# KiCad board vancouver-skytrain-pcb.kicad_pcb (continued)
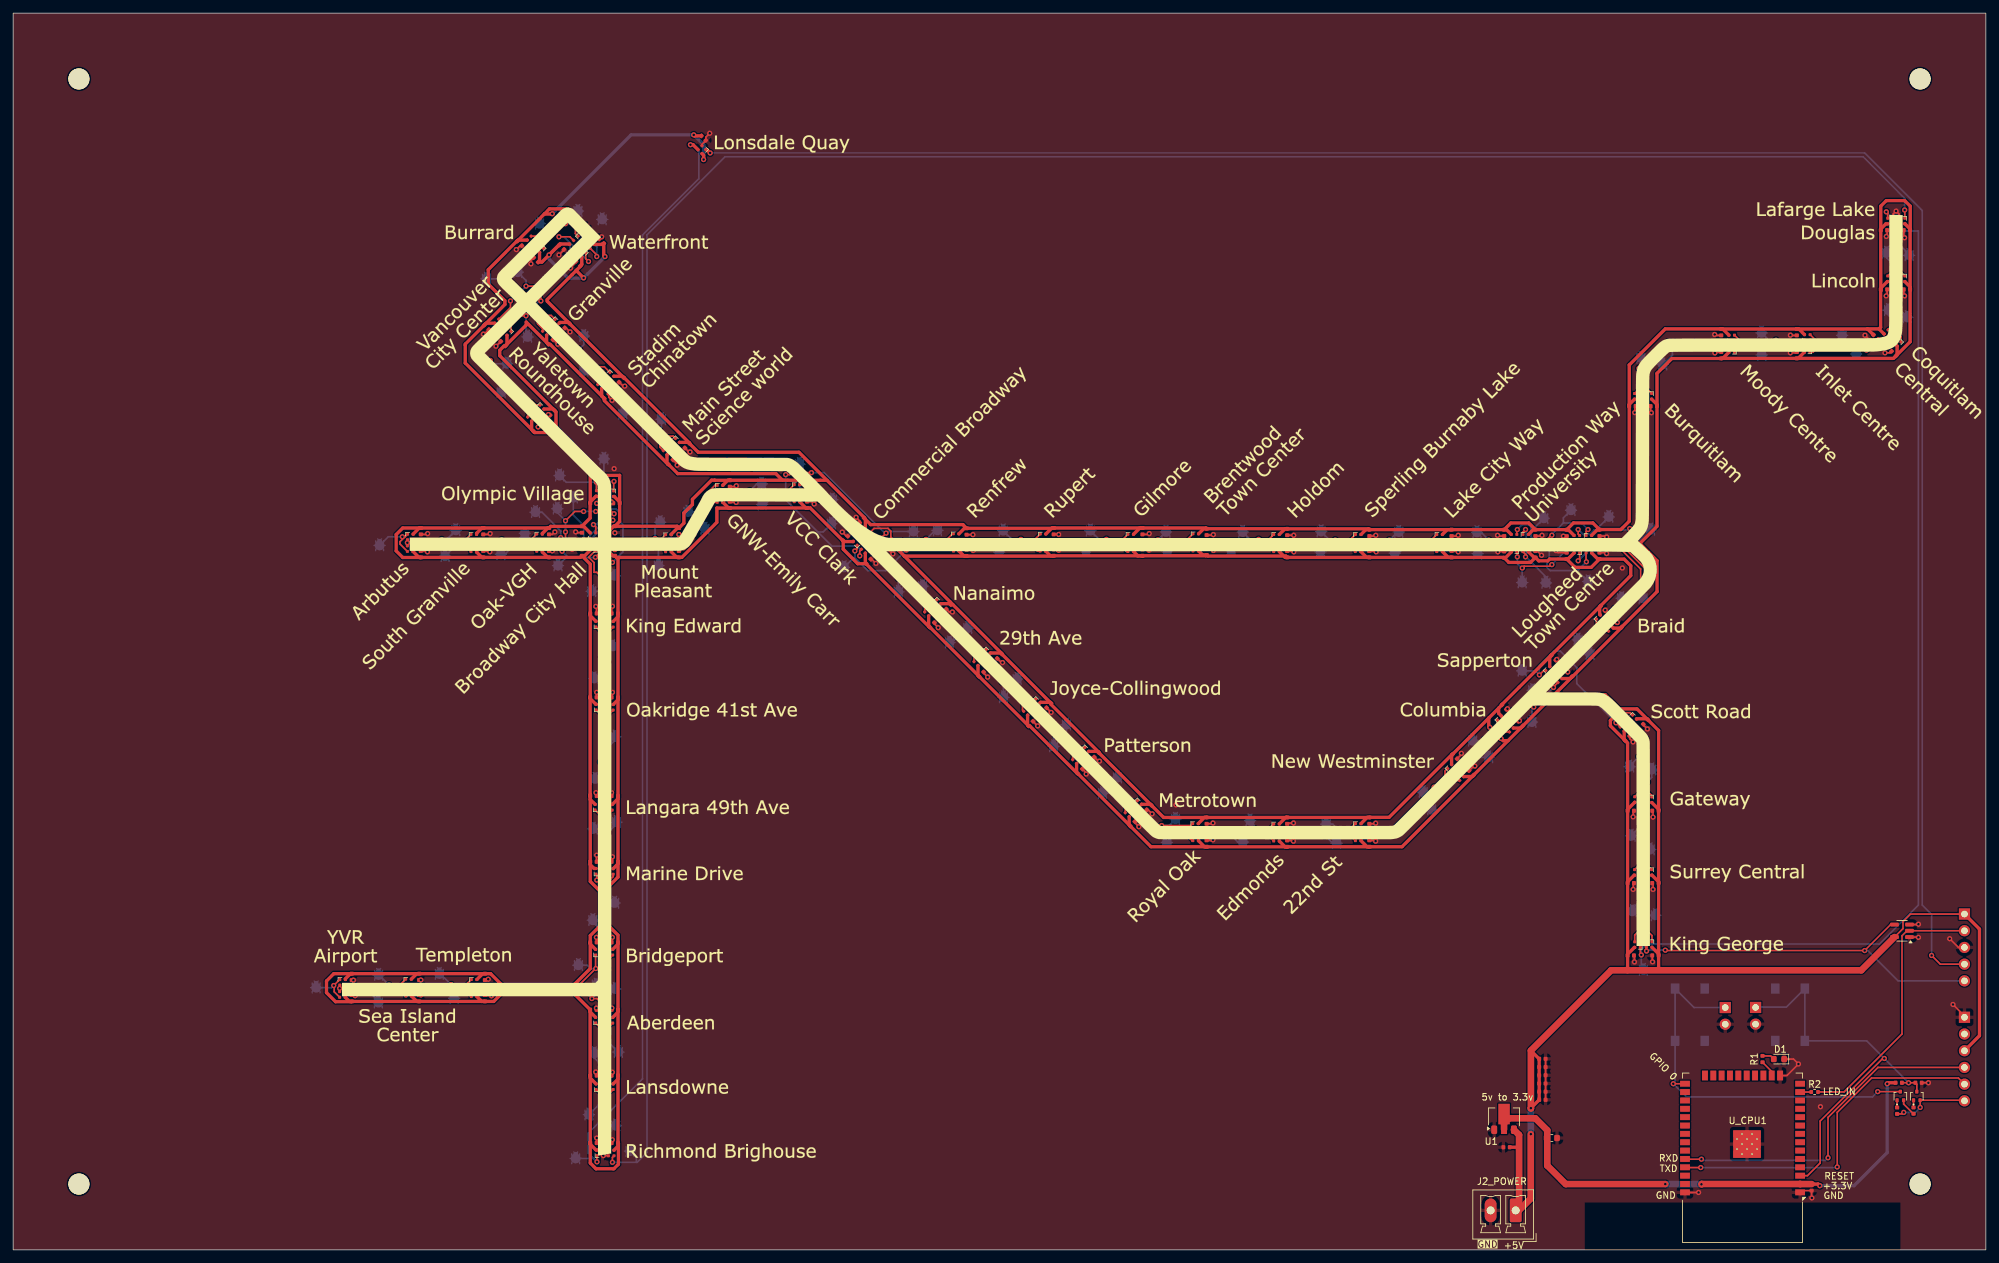
[diagram p0: board, top side]
## Placement (name value [footprint] x y rotation side) (continued)
TP55  TestPoint  [SWS-Testpoint-Bug-1mm]  232.78 111.21 180 bottom
TP56  TestPoint  [SWS-Testpoint-Bug-1mm]  222.62 109.06 180 bottom
TP57  TestPoint  [SWS-Testpoint-Bug-1mm]  210.72 109.11 180 bottom
TP58  TestPoint  [SWS-Testpoint-Bug-1mm]  198.91 109.2 180 bottom
TP59  TestPoint  [SWS-Testpoint-Bug-1mm]  186.99 109.12 180 bottom
TP60  TestPoint  [SWS-Testpoint-Bug-1mm]  175.32 109.13 180 bottom
TP61  TestPoint  [SWS-Testpoint-Bug-1mm]  163.82 109.33 180 bottom
TP62  TestPoint  [SWS-Testpoint-Bug-1mm]  150.56 109.33 180 bottom
TP63  TestPoint  [SWS-Testpoint-Bug-1mm]  140.57 109.37 180 bottom
TP64  TestPoint  [SWS-Testpoint-Bug-1mm]  124.58 114.03 180 bottom
TP65  TestPoint  [SWS-Testpoint-Bug-1mm]  113.84 116.44 180 bottom
TP66  TestPoint  [SWS-Testpoint-Bug-1mm]  102.62 112.18 180 bottom
TP67  TestPoint  [SWS-Testpoint-Bug-1mm]  98.4 110.6 180 bottom
TP68  TestPoint  [SWS-Testpoint-Bug-1mm]  79.44 112.13 180 bottom
TP69  TestPoint  [SWS-Testpoint-Bug-1mm]  77.81 108.93 180 bottom
TP70  TestPoint  [SWS-Testpoint-Bug-1mm]  67.31 109.38 180 bottom
TP71  TestPoint  [SWS-Testpoint-Bug-1mm]  55.73 107.08 180 bottom
TP72  TestPoint  [SWS-Testpoint-Bug-1mm]  65.69 105.45 180 bottom
TP73  TestPoint  [SWS-Testpoint-Bug-1mm]  74.18 105.74 180 bottom
TP74  TestPoint  [SWS-Testpoint-Bug-1mm]  82.86 104.01 180 bottom
TP75  TestPoint  [SWS-Testpoint-Bug-1mm]  98.13 104.01 180 bottom
TP76  TestPoint  [SWS-Testpoint-Bug-1mm]  105.2 109.61 180 bottom
TP77  TestPoint  [SWS-Testpoint-Bug-1mm]  113.9 113.3 180 bottom
TP78  TestPoint  [SWS-Testpoint-Bug-1mm]  119.56 119.45 180 bottom
TP79  TestPoint  [SWS-Testpoint-Bug-1mm]  126.37 103.74 180 bottom
TP80  TestPoint  [SWS-Testpoint-Bug-1mm]  149.96 106.07 180 bottom
TP81  TestPoint  [SWS-Testpoint-Bug-1mm]  163.17 106.29 180 bottom
TP82  TestPoint  [SWS-Testpoint-Bug-1mm]  175.51 106.22 180 bottom
TP83  TestPoint  [SWS-Testpoint-Bug-1mm]  185.25 106.35 180 bottom
TP84  TestPoint  [SWS-Testpoint-Bug-1mm]  198.81 106.12 180 bottom
TP85  TestPoint  [SWS-Testpoint-Bug-1mm]  210.11 105.91 180 bottom
TP86  TestPoint  [SWS-Testpoint-Bug-1mm]  222.72 105.82 180 bottom
TP87  TestPoint  [SWS-Testpoint-Bug-1mm]  229.49 101.44 180 bottom
TP88  TestPoint  [SWS-Testpoint-Bug-1mm]  249.01 109.46 180 bottom
TP89  TestPoint  [SWS-Testpoint-Bug-1mm]  250.87 134.57 180 bottom
TP90  TestPoint  [SWS-Testpoint-Bug-1mm]  265.92 136.03 180 bottom
TP91  TestPoint  [SWS-Testpoint-Bug-1mm]  280.29 136.18 180 bottom
TP92  TestPoint  [SWS-Testpoint-Bug-1mm]  288.06 141.76 180 bottom
TP93  TestPoint  [SWS-Testpoint-Bug-1mm]  288.33 151.18 180 bottom
TP94  TestPoint  [SWS-Testpoint-Bug-1mm]  93.81 15 180 bottom
TP95  TestPoint  [SWS-Testpoint-Bug-1mm]  91.63 18.88 180 bottom
TP96  TestPoint  [SWS-Testpoint-Bug-1mm]  92.04 30.06 180 bottom
TP97  TestPoint  [SWS-Testpoint-Bug-1mm]  91.56 39.65 180 bottom
TP98  TestPoint  [SWS-Testpoint-Bug-1mm]  91.47 52.73 180 bottom
TP99  TestPoint  [SWS-Testpoint-Bug-1mm]  91.74 65.01 180 bottom
TP100  TestPoint  [SWS-Testpoint-Bug-1mm]  91.57 78.01 180 bottom
TP101  TestPoint  [SWS-Testpoint-Bug-1mm]  91.18 91.74 180 bottom
TP102  TestPoint  [SWS-Testpoint-Bug-1mm]  91.47 102.47 180 bottom
TP103  TestPoint  [SWS-Testpoint-Bug-1mm]  85.19 114.34 180 bottom
TP104  TestPoint  [SWS-Testpoint-Bug-1mm]  89.84 120.24 180 bottom
TP105  TestPoint  [SWS-Testpoint-Bug-1mm]  75.09 134.7 180 bottom
TP106  TestPoint  [SWS-Testpoint-Bug-1mm]  78.23 138.78 180 bottom
TP107  TestPoint  [SWS-Testpoint-Bug-1mm]  84.76 150.91 180 bottom
TP108  TestPoint  [SWS-Testpoint-Bug-1mm]  76.74 148.62 180 bottom
TP109  TestPoint  [SWS-Testpoint-Bug-1mm]  74.22 130.35 180 bottom
TP110  TestPoint  [SWS-Testpoint-Bug-1mm]  83.1 117.7 180 bottom
TP111  TestPoint  [SWS-Testpoint-Bug-1mm]  82.75 112.66 180 bottom
TP112  TestPoint  [SWS-Testpoint-Bug-1mm]  87.99 100.11 180 bottom
TP113  TestPoint  [SWS-Testpoint-Bug-1mm]  88.35 86.86 180 bottom
TP114  TestPoint  [SWS-Testpoint-Bug-1mm]  88.51 71.58 180 bottom
TP115  TestPoint  [SWS-Testpoint-Bug-1mm]  88.23 63.99 180 bottom
TP116  TestPoint  [SWS-Testpoint-Bug-1mm]  88.16 50.11 180 bottom
TP117  TestPoint  [SWS-Testpoint-Bug-1mm]  85.96 43.27 180 bottom
TP118  TestPoint  [SWS-Testpoint-Bug-1mm]  64.81 41.93 180 bottom
TP119  TestPoint  [SWS-Testpoint-Bug-1mm]  55.58 41.78 180 bottom
TP120  TestPoint  [SWS-Testpoint-Bug-1mm]  46.08 39.86 180 bottom
TP121  TestPoint  [SWS-Testpoint-Bug-1mm]  55.54 37.59 180 bottom
TP122  TestPoint  [SWS-Testpoint-Bug-1mm]  67.06 38.26 180 bottom
TP123  TestPoint  [SWS-Testpoint-Bug-1mm]  88.68 40.29 180 bottom
TP124  TestPoint  [SWS-Testpoint-Bug-1mm]  88.38 29.85 180 bottom
TP125  TestPoint  [SWS-Testpoint-Bug-1mm]  87.56 20.55 180 bottom
TP126  TestPoint  [SWS-Testpoint-Bug-1mm]  85.55 13.89 180 bottom
U1  UR133AG-33-AB3-C-R__3.3v  [SOT-89-3]  226.73 20.21 90 top
U1#2  74AHC1G125  [SOT-23-5]  287.25 48.5 180 top
U_CPU1  ESP32-WROOM-32E  [ESP32-WROOM-32]  263 16.99 180 top

## Library data of the parts
C1 C2 C4-C131 = -: Datasheet: https://datasheet.lcsc.com/lcsc/1811091611_Samsung-Electro-Mechanics-CL05A105KA5NQNC_C52923.pdf; LCSC: C52923; MFG: Samsung Electro-Mechanics; MFGPN: CL05A105KA5NQNC
C3 = -: Datasheet: https://datasheet.lcsc.com/lcsc/1810191219_Samsung-Electro-Mechanics-CL10A106KP8NNNC_C19702.pdf; LCSC: C19702; MFG: Samsung Electro-Mechanics; MFGPN: CL10A106KP8NNNC
C132-C136 C138 = -: Description: 25V 1uF X5R   10% 0402 Multilayer Ceramic Capacitors MLCC - SMD SMT ROHS; LCSC: C52923; MFG: Samsung Electro-Mechanics; MFGPN: CL05A105KA5NQNC
D1 = -: LCSC: C2286; ki_fp_filters: LED* LED_SMD:* LED_THT:*
H1-H4 = -: LCSC: DNP; ki_fp_filters: MountingHole*
J1-LED = -: Description: Generic connector, single row, 01x05, script generated (kicad-library-utils/schlib/autogen/connector/); LCSC: DNP; ki_fp_filters: Connector*:*_1x??_*
J2 J3 = -: Description: Generic connector, single row, 01x02, script generated (kicad-library-utils/schlib/autogen/connector/); LCSC: DNP; ki_fp_filters: Connector*:*_1x??_*
J2_POWER J3_PROGRAMING_PIN1 = -: LCSC: DNP; ki_fp_filters: Connector*:*_1x??_*
LED1-LED127 = -: Datasheet: https://datasheet.lcsc.com/lcsc/2301111010_XINGLIGHT-XL-1010RGBC-WS2812B_C5349953.pdf; LCSC: C5349953; ki_fp_filters: LED*WS2812*PLCC*5.0x5.0mm*P3.2mm*
Q1 Q2 = -: Datasheet: https://www.onsemi.com/pub/Collateral/2N3903-D.PDF; LCSC: C242260; ki_fp_filters: SOT?23*
R1 = -: Datasheet: https://datasheet.lcsc.com/lcsc/2110251730_UNI-ROYAL-Uniroyal-Elec-0402WGF1001TCE_C11702.pdf; LCSC: C11702; MFG: UNI-ROYAL(Uniroyal Elec); MFGPN: 0402WGF1001TCE
R2 = -: Datasheet: https://datasheet.lcsc.com/lcsc/2110251730_UNI-ROYAL-Uniroyal-Elec-0402WGF0000TCE_C17168.pdf; LCSC: C17168; MFG: UNI-ROYAL(Uniroyal Elec); MFGPN: 0402WGF0000TCE
R3-R5 = -: Datasheet: https://datasheet.lcsc.com/lcsc/2110260030_UNI-ROYAL-Uniroyal-Elec-0402WGF1002TCE_C25744.pdf; LCSC: C25744; MFG: UNI-ROYAL(Uniroyal Elec); MFGPN: 0402WGF1002TCE
SW_BOOTLOAD1 SW_RESET1 = -: LCSC: DNP
TP1-TP126 = -: Description: test point; LCSC: DNP; ki_fp_filters: Pin* Test*
U1 = -: Datasheet: https://datasheet.lcsc.com/lcsc/2304140030_UTC-Unisonic-Tech-UR133AG-33-AB3-C-R_C73288.pdf; LCSC: C73288; ki_fp_filters: SOT?223* TO?263*
U1#2 = -: Datasheet: http://www.ti.com/lit/sg/scyt129e/scyt129e.pdf; LCSC: C23654; ki_fp_filters: SOT* SG-*
U_CPU1 = -: Datasheet: https://www.espressif.com/sites/default/files/documentation/esp32-wroom-32_datasheet_en.pdf; LCSC: C701342; ki_fp_filters: ESP32?WROOM?32*

## Footprints (pads in the part's own frame, mm; a bottom-side part is the same pattern mirrored in y, then rotated)
C_0402_1005Metric
  rrect 0.59x0.64 smd: 1(-0.485,0) 2(0.485,0)
C_0603_1608Metric
  rrect 0.875x0.95 smd: 1(-0.787,0) 2(0.787,0)
ESP32-WROOM-32
  rect 1.5x0.9 smd: 1(-8.75,8.25) 2(-8.75,6.98) 3(-8.75,5.71) 4(-8.75,4.44) 5(-8.75,3.17) 6(-8.75,1.9) 7(-8.75,0.63) 8(-8.75,-0.64) 9(-8.75,-1.91) 10(-8.75,-3.18) 11(-8.75,-4.45) 12(-8.75,-5.72) 13(-8.75,-6.99) 14(-8.75,-8.26) 25(8.75,-8.26) 26(8.75,-6.99) 27(8.75,-5.72) 28(8.75,-4.45) 29(8.75,-3.18) 30(8.75,-1.91) 31(8.75,-0.64) 32(8.75,0.63) 33(8.75,1.9) 34(8.75,3.17) 35(8.75,4.44) 36(8.75,5.71) 37(8.75,6.98) 38(8.75,8.25)
  rect 0.9x1.5 smd: 15(-5.71,-9.51) 16(-4.44,-9.51) 17(-3.17,-9.51) 18(-1.9,-9.51) 19(-0.63,-9.51) 20(0.64,-9.51) 21(1.91,-9.51) 22(3.18,-9.51) 23(4.45,-9.51) 24(5.72,-9.51)
  rect 1.05x1.05 smd: 39(-2.205,2.435) 39(-2.205,0.91) 39(-2.205,-0.615) 39(-0.68,2.435) 39(-0.68,0.91) 39(-0.68,-0.615) 39(0.845,2.435) 39(0.845,0.91) 39(0.845,-0.615)
  round 0.6 hole 0.2: 39(-2.205,1.673) 39(-2.205,0.147) 39(-1.442,2.435) 39(-1.442,0.91) 39(-1.442,-0.615) 39(-0.68,1.673) 39(-0.68,0.147) 39(0.083,2.435) 39(0.083,0.91) 39(0.083,-0.615) 39(0.845,1.673) 39(0.845,0.147)
  rect 4.2x4.2 smd: 39(-0.68,0.91)
LED_0603_1608Metric
  rrect 0.875x0.95 smd: 1(-0.787,0) 2(0.787,0)
MountingHole_3.2mm_M3
  round 3.2 hole 3.2 unplated: (0,0)
PhoenixContact_MCV_1,5_2-G-3.81_1x02_P3.81mm_Vertical
  rrect 1.8x3.6 hole 1.2: 1(0,0)
  oval 1.8x3.6 hole 1.2: 2(3.81,0)
PinHeader_1x02_P2.54mm_Vertical
  rect 1.7x1.7 hole 1: 1(0,0)
  oval 1.7x1.7 hole 1: 2(0,-2.54)
PinHeader_1x05_P2.54mm_Vertical
  rect 1.7x1.7 hole 1: 1(0,0)
  oval 1.7x1.7 hole 1: 2(0,-2.54) 3(0,-5.08) 4(0,-7.62) 5(0,-10.16)
PinHeader_1x06_P2.54mm_Vertical
  rect 1.7x1.7 hole 1: 1(0,0)
  oval 1.7x1.7 hole 1: 2(0,-2.54) 3(0,-5.08) 4(0,-7.62) 5(0,-10.16) 6(0,-12.7)
R_0402_1005Metric
  rrect 0.54x0.64 smd: 1(-0.51,0) 2(0.51,0)
SOT-23-5
  rrect 1.325x0.6 smd: 1(-1.137,0.95) 2(-1.137,0) 3(-1.137,-0.95) 4(1.137,-0.95) 5(1.137,0.95)
SOT-89-3
  rrect 1.3x0.9 smd: 1(-1.95,1.5) 3(-1.95,-1.5)
  custom 4.6x1.733 smd: 2(-1.863,0)
SOT-416
  rrect 0.6x0.5 smd: 1(-0.65,0.5) 2(-0.65,-0.5) 3(0.65,0)
SW_Push_1P1T_NO_6x6mm_H9.5mm
  rect 1.55x1.3 smd: 1(-3.975,2.25) 1(3.975,2.25) 2(-3.975,-2.25) 2(3.975,-2.25)
SWS-Testpoint-Bug-1mm
  custom 1.9x2 smd: 1(0,0)
XL-1010RGBC-WS2812B
  rrect 0.45x0.45 smd: 1(-0.425,0.425) 2(0.425,0.425) 3(-0.425,-0.425) 4(0.425,-0.425)

## Nets
+3.3V: C2.1 C3.1 R5.2 U1.2 U_CPU1.2
+5V: C1.1 C5.1 C6.1 C7.1 C8.1 C9.1 C10.1 C11.1 C12.1 C13.1 C14.1 C15.1 C16.1 C17.1 C18.1 C19.1 C20.1 C21.1 C22.1 C23.1 C24.1 C25.1 C26.1 C27.1 C28.1 C29.1 C30.1 C31.1 C32.1 C33.1 C34.1 C35.1 C36.1 C37.1 C38.1 C39.1 C40.1 C41.1 C42.1 C43.1 C44.1 C45.1 C46.1 C47.1 C48.1 C49.1 C50.1 C51.1 C52.1 C53.1 C54.1 C55.1 C56.1 C57.1 C58.1 C59.1 C60.1 C61.1 C62.1 C63.1 C64.1 C65.1 C66.1 C67.1 C68.1 C69.1 C70.1 C71.1 C72.1 C73.1 C74.1 C75.1 C76.1 C77.1 C78.1 C79.1 C80.1 C81.1 C82.1 C83.1 C84.1 C85.1 C86.1 C87.1 C88.1 C89.1 C90.1 C91.1 C92.1 C93.1 C94.1 C95.1 C96.1 C97.1 C98.1 C99.1 C100.1 C101.1 C102.1 C103.1 C104.1 C105.1 C106.1 C107.1 C108.1 C109.1 C110.1 C111.1 C112.1 C113.1 C114.1 C115.1 C116.1 C117.1 C118.1 C119.1 C120.1 C121.1 C122.1 C123.1 C124.1 C125.1 C126.1 C127.1 C128.1 C129.1 C130.1 C131.1 C132.1 C133.1 C134.1 C135.1 C136.1 C138.1 J1-LED.1 J2_POWER.1 J3_PROGRAMING_PIN1.3 LED1.2 LED2.2 LED3.2 LED4.2 LED5.2 LED6.2 LED7.2 LED8.2 LED9.2 LED10.2 LED11.2 LED12.2 LED13.2 LED14.2 LED15.2 LED16.2 LED17.2 LED18.2 LED19.2 LED20.2 LED21.2 LED22.2 LED23.2 LED24.2 LED25.2 LED26.2 LED27.2 LED28.2 LED29.2 LED30.2 LED31.2 LED32.2 LED33.2 LED34.2 LED35.2 LED36.2 LED37.2 LED38.2 LED39.2 LED40.2 LED41.2 LED42.2 LED43.2 LED44.2 LED45.2 LED46.2 LED47.2 LED48.2 LED49.2 LED50.2 LED51.2 LED52.2 LED53.2 LED54.2 LED55.2 LED56.2 LED57.2 LED58.2 LED59.2 LED60.2 LED61.2 LED62.2 LED63.2 LED64.2 LED65.2 LED66.2 LED67.2 LED68.2 LED69.2 LED70.2 LED71.2 LED72.2 LED73.2 LED74.2 LED75.2 LED76.2 LED77.2 LED78.2 LED79.2 LED80.2 LED81.2 LED82.2 LED83.2 LED84.2 LED85.2 LED86.2 LED87.2 LED88.2 LED89.2 LED90.2 LED91.2 LED92.2 LED93.2 LED94.2 LED95.2 LED96.2 LED97.2 LED98.2 LED99.2 LED100.2 LED101.2 LED102.2 LED103.2 LED104.2 LED105.2 LED106.2 LED107.2 LED108.2 LED109.2 LED110.2 LED111.2 LED112.2 LED113.2 LED114.2 LED115.2 LED116.2 LED117.2 LED118.2 LED119.2 LED120.2 LED121.2 LED122.2 LED123.2 LED124.2 LED125.2 LED126.2 LED127.2 U1.3 U1#2.5
GND: C1.2 C2.2 C3.2 C4.2 C5.2 C6.2 C7.2 C8.2 C9.2 C10.2 C11.2 C12.2 C13.2 C14.2 C15.2 C16.2 C17.2 C18.2 C19.2 C20.2 C21.2 C22.2 C23.2 C24.2 C25.2 C26.2 C27.2 C28.2 C29.2 C30.2 C31.2 C32.2 C33.2 C34.2 C35.2 C36.2 C37.2 C38.2 C39.2 C40.2 C41.2 C42.2 C43.2 C44.2 C45.2 C46.2 C47.2 C48.2 C49.2 C50.2 C51.2 C52.2 C53.2 C54.2 C55.2 C56.2 C57.2 C58.2 C59.2 C60.2 C61.2 C62.2 C63.2 C64.2 C65.2 C66.2 C67.2 C68.2 C69.2 C70.2 C71.2 C72.2 C73.2 C74.2 C75.2 C76.2 C77.2 C78.2 C79.2 C80.2 C81.2 C82.2 C83.2 C84.2 C85.2 C86.2 C87.2 C88.2 C89.2 C90.2 C91.2 C92.2 C93.2 C94.2 C95.2 C96.2 C97.2 C98.2 C99.2 C100.2 C101.2 C102.2 C103.2 C104.2 C105.2 C106.2 C107.2 C108.2 C109.2 C110.2 C111.2 C112.2 C113.2 C114.2 C115.2 C116.2 C117.2 C118.2 C119.2 C120.2 C121.2 C122.2 C123.2 C124.2 C125.2 C126.2 C127.2 C128.2 C129.2 C130.2 C131.2 C132.2 C133.2 C134.2 C135.2 C136.2 C138.2 D1.1 J1-LED.3 J2.2 J2_POWER.2 J3.2 J3_PROGRAMING_PIN1.1 LED1.3 LED2.3 LED3.3 LED4.3 LED5.3 LED6.3 LED7.3 LED8.3 LED9.3 LED10.3 LED11.3 LED12.3 LED13.3 LED14.3 LED15.3 LED16.3 LED17.3 LED18.3 LED19.3 LED20.3 LED21.3 LED22.3 LED23.3 LED24.3 LED25.3 LED26.3 LED27.3 LED28.3 LED29.3 LED30.3 LED31.3 LED32.3 LED33.3 LED34.3 LED35.3 LED36.3 LED37.3 LED38.3 LED39.3 LED40.3 LED41.3 LED42.3 LED43.3 LED44.3 LED45.3 LED46.3 LED47.3 LED48.3 LED49.3 LED50.3 LED51.3 LED52.3 LED53.3 LED54.3 LED55.3 LED56.3 LED57.3 LED58.3 LED59.3 LED60.3 LED61.3 LED62.3 LED63.3 LED64.3 LED65.3 LED66.3 LED67.3 LED68.3 LED69.3 LED70.3 LED71.3 LED72.3 LED73.3 LED74.3 LED75.3 LED76.3 LED77.3 LED78.3 LED79.3 LED80.3 LED81.3 LED82.3 LED83.3 LED84.3 LED85.3 LED86.3 LED87.3 LED88.3 LED89.3 LED90.3 LED91.3 LED92.3 LED93.3 LED94.3 LED95.3 LED96.3 LED97.3 LED98.3 LED99.3 LED100.3 LED101.3 LED102.3 LED103.3 LED104.3 LED105.3 LED106.3 LED107.3 LED108.3 LED109.3 LED110.3 LED111.3 LED112.3 LED113.3 LED114.3 LED115.3 LED116.3 LED117.3 LED118.3 LED119.3 LED120.3 LED121.3 LED122.3 LED123.3 LED124.3 LED125.3 LED126.3 LED127.3 SW_BOOTLOAD1.2 SW_RESET1.2 U1.1 U1#2.1 U1#2.3 U_CPU1.1 U_CPU1.15 U_CPU1.38 U_CPU1.39
/DTR: Q1.2 R4.1
/GPIO0: J2.1 Q1.3 SW_BOOTLOAD1.1 U_CPU1.25
/PIN_LED_STATUS: R1.2 U_CPU1.16
/RESET: C4.1 J3.1 Q2.3 R5.1 SW_RESET1.1 U_CPU1.3
/RTS: J3_PROGRAMING_PIN1.6 Q2.2 R3.1
/RXD: J3_PROGRAMING_PIN1.4 U_CPU1.34
/TXD: J3_PROGRAMING_PIN1.5 U_CPU1.35
LED_IN: J1-LED.2 R2.2 U1#2.2
LED_OUT: J1-LED.4 LED48.1 LED49.4 LED93.1 LED94.1 LED94.4 LED95.4 LED127.1 TP48.1 TP93.1 TP94.1
LEDS_CANADA_LINE_NORTH_TO_SOUTH: LED110.1 LED111.4 TP110.1
LEDS_EXPO_LINE_EAST_TO_WEST: J1-LED.5 LED1.4 U1#2.4
LEDS_EXPO_LINE_WEST_TO_EAST: LED24.1 LED25.4 TP24.1
LEDS_MILLENNIUM_LINE_WEST_TO_EAST: LED71.1 LED72.4 TP71.1
LEDS_SEA_BUS: LED126.1 LED127.4 TP126.1
Net-(D1-A): D1.2 R1.1
Net-(LED1-DOUT): LED1.1 LED2.4 TP1.1
Net-(LED2-DOUT): LED2.1 LED3.4 TP2.1
Net-(LED3-DOUT): LED3.1 LED4.4 TP3.1
Net-(LED4-DOUT): LED4.1 LED5.4 TP4.1
Net-(LED5-DOUT): LED5.1 LED6.4 TP5.1
Net-(LED6-DOUT): LED6.1 LED7.4 TP6.1
Net-(LED7-DOUT): LED7.1 LED8.4 TP7.1
Net-(LED8-DOUT): LED8.1 LED9.4 TP8.1
Net-(LED10-DIN): LED9.1 LED10.4 TP9.1
Net-(LED10-DOUT): LED10.1 LED11.4 TP10.1
Net-(LED11-DOUT): LED11.1 LED12.4 TP11.1
Net-(LED12-DOUT): LED12.1 LED13.4 TP12.1
Net-(LED13-DOUT): LED13.1 LED14.4 TP13.1
Net-(LED14-DOUT): LED14.1 LED15.4 TP14.1
Net-(LED15-DOUT): LED15.1 LED16.4 TP15.1
Net-(LED16-DOUT): LED16.1 LED17.4 TP16.1
Net-(LED17-DOUT): LED17.1 LED18.4 TP17.1
Net-(LED18-DOUT): LED18.1 LED19.4 TP18.1
Net-(LED19-DOUT): LED19.1 LED20.4 TP19.1
Net-(LED20-DOUT): LED20.1 LED21.4 TP20.1
Net-(LED21-DOUT): LED21.1 LED22.4 TP21.1
Net-(LED22-DOUT): LED22.1 LED23.4 TP22.1
Net-(LED23-DOUT): LED23.1 LED24.4 TP23.1
Net-(LED25-DOUT): LED25.1 LED26.4 TP25.1
Net-(LED26-DOUT): LED26.1 LED27.4 TP26.1
Net-(LED27-DOUT): LED27.1 LED28.4 TP27.1
Net-(LED28-DOUT): LED28.1 LED29.4 TP28.1
Net-(LED29-DOUT): LED29.1 LED30.4 TP29.1
Net-(LED30-DOUT): LED30.1 LED31.4 TP30.1
Net-(LED31-DOUT): LED31.1 LED32.4 TP31.1
Net-(LED32-DOUT): LED32.1 LED33.4 TP32.1
Net-(LED33-DOUT): LED33.1 LED34.4 TP33.1
Net-(LED34-DOUT): LED34.1 LED35.4 TP34.1
Net-(LED35-DOUT): LED35.1 LED36.4 TP35.1
Net-(LED36-DOUT): LED36.1 LED37.4 TP36.1
Net-(LED37-DOUT): LED37.1 LED38.4 TP37.1
Net-(LED38-DOUT): LED38.1 LED39.4 TP38.1
Net-(LED39-DOUT): LED39.1 LED40.4 TP39.1
Net-(LED40-DOUT): LED40.1 LED41.4 TP40.1
Net-(LED41-DOUT): LED41.1 LED42.4 TP41.1
Net-(LED42-DOUT): LED42.1 LED43.4 TP42.1
Net-(LED43-DOUT): LED43.1 LED44.4 TP43.1
Net-(LED44-DOUT): LED44.1 LED45.4 TP44.1
Net-(LED45-DOUT): LED45.1 LED46.4 TP45.1
Net-(LED46-DOUT): LED46.1 LED47.4 TP46.1
Net-(LED47-DOUT): LED47.1 LED48.4 TP47.1
Net-(LED49-DOUT): LED49.1 LED50.4 TP49.1
Net-(LED50-DOUT): LED50.1 LED51.4 TP50.1
Net-(LED51-DOUT): LED51.1 LED52.4 TP51.1
Net-(LED52-DOUT): LED52.1 LED53.4 TP52.1
Net-(LED53-DOUT): LED53.1 LED54.4 TP53.1
Net-(LED54-DOUT): LED54.1 LED55.4 TP54.1
Net-(LED55-DOUT): LED55.1 LED56.4 TP55.1
Net-(LED56-DOUT): LED56.1 LED57.4 TP56.1
Net-(LED57-DOUT): LED57.1 LED58.4 TP57.1
Net-(LED58-DOUT): LED58.1 LED59.4 TP58.1
Net-(LED59-DOUT): LED59.1 LED60.4 TP59.1
Net-(LED60-DOUT): LED60.1 LED61.4 TP60.1
Net-(LED61-DOUT): LED61.1 LED62.4 TP61.1
Net-(LED62-DOUT): LED62.1 LED63.4 TP62.1
Net-(LED63-DOUT): LED63.1 LED64.4 TP63.1
Net-(LED64-DOUT): LED64.1 LED65.4 TP64.1
Net-(LED65-DOUT): LED65.1 LED66.4 TP65.1
Net-(LED66-DOUT): LED66.1 LED67.4 TP66.1
Net-(LED67-DOUT): LED67.1 LED68.4 TP67.1
Net-(LED68-DOUT): LED68.1 LED69.4 TP68.1
Net-(LED69-DOUT): LED69.1 LED70.4 TP69.1
Net-(LED70-DOUT): LED70.1 LED71.4 TP70.1
Net-(LED72-DOUT): LED72.1 LED73.4 TP72.1
Net-(LED73-DOUT): LED73.1 LED74.4 TP73.1
Net-(LED74-DOUT): LED74.1 LED75.4 TP74.1
Net-(LED75-DOUT): LED75.1 LED76.4 TP75.1
Net-(LED76-DOUT): LED76.1 LED77.4 TP76.1
Net-(LED77-DOUT): LED77.1 LED78.4 TP77.1
Net-(LED78-DOUT): LED78.1 LED79.4 TP78.1
Net-(LED79-DOUT): LED79.1 LED80.4 TP79.1
Net-(LED80-DOUT): LED80.1 LED81.4 TP80.1
Net-(LED81-DOUT): LED81.1 LED82.4 TP81.1
Net-(LED82-DOUT): LED82.1 LED83.4 TP82.1
Net-(LED83-DOUT): LED83.1 LED84.4 TP83.1
Net-(LED84-DOUT): LED84.1 LED85.4 TP84.1
Net-(LED85-DOUT): LED85.1 LED86.4 TP85.1
Net-(LED86-DOUT): LED86.1 LED87.4 TP86.1
Net-(LED87-DOUT): LED87.1 LED88.4 TP87.1
Net-(LED88-DOUT): LED88.1 LED89.4 TP88.1
Net-(LED89-DOUT): LED89.1 LED90.4 TP89.1
Net-(LED90-DOUT): LED90.1 LED91.4 TP90.1
Net-(LED91-DOUT): LED91.1 LED92.4 TP91.1
Net-(LED92-DOUT): LED92.1 LED93.4 TP92.1
Net-(LED95-DOUT): LED95.1 LED96.4 TP95.1
Net-(LED96-DOUT): LED96.1 LED97.4 TP96.1
Net-(LED97-DOUT): LED97.1 LED98.4 TP97.1
Net-(LED98-DOUT): LED98.1 LED99.4 TP98.1
Net-(LED100-DIN): LED99.1 LED100.4 TP99.1
Net-(LED100-DOUT): LED100.1 LED101.4 TP100.1
Net-(LED101-DOUT): LED101.1 LED102.4 TP101.1
Net-(LED102-DOUT): LED102.1 LED103.4 TP102.1
Net-(LED103-DOUT): LED103.1 LED104.4 TP103.1
Net-(LED104-DOUT): LED104.1 LED105.4 TP104.1
Net-(LED105-DOUT): LED105.1 LED106.4 TP105.1
Net-(LED106-DOUT): LED106.1 LED107.4 TP106.1
Net-(LED107-DOUT): LED107.1 LED108.4 TP107.1
Net-(LED108-DOUT): LED108.1 LED109.4 TP108.1
Net-(LED109-DOUT): LED109.1 LED110.4 TP109.1
Net-(LED111-DOUT): LED111.1 LED112.4 TP111.1
Net-(LED112-DOUT): LED112.1 LED113.4 TP112.1
Net-(LED113-DOUT): LED113.1 LED114.4 TP113.1
Net-(LED114-DOUT): LED114.1 LED115.4 TP114.1
Net-(LED115-DOUT): LED115.1 LED116.4 TP115.1
Net-(LED116-DOUT): LED116.1 LED117.4 TP116.1
Net-(LED117-DOUT): LED117.1 LED118.4 TP117.1
Net-(LED118-DOUT): LED118.1 LED119.4 TP118.1
Net-(LED119-DOUT): LED119.1 LED120.4 TP119.1
Net-(LED120-DOUT): LED120.1 LED121.4 TP120.1
Net-(LED121-DOUT): LED121.1 LED122.4 TP121.1
Net-(LED122-DOUT): LED122.1 LED123.4 TP122.1
Net-(LED123-DOUT): LED123.1 LED124.4 TP123.1
Net-(LED124-DOUT): LED124.1 LED125.4 TP124.1
Net-(LED125-DOUT): LED125.1 LED126.4 TP125.1
Net-(Q1-B): Q1.1 R3.2
Net-(Q2-B): Q2.1 R4.2
Net-(U_CPU1-IO14): R2.1 U_CPU1.13

Pads without a net: J3_PROGRAMING_PIN1 2; U_CPU1 4 5 6 7 8 9 10 11 12 14 17 18 19 20 21 22 23 24 26 27 28 29 30 31 32 33 36 37

## Via types
v1: diameter 0.8, hole 0.4, Top to Bottom, 382 vias

## Routing (per net, layer and track width the routed paths; a pad name or vN(x,y) marks a point on that pad's centre or on a via; arc(x,y) is an arc through that point)
+3.3V: length 80.8
  Top w0.5: 273.5,10 274.5,10 v1(274.75,9.75) ; v1(285,25.25) 285.15,25.4 R5.2
  Top w1: U1.2 226.73,19.26 227.47,20 231.48,20 233.3,18.18 233.3,12.81 236.11,10 v1(251.25,10) ; 273.5,10 271.76,10 U_CPU1.2 256.8,10.01 v1(256.75,9.96)
  Bottom w0.5: v1(274.75,9.75) 279.96,9.75 285,14.79 v1(285,25.25)
  Bottom w1: v1(251.25,10) 256.75,10 v1(256.75,9.96)
+5V: length 1880.5
  Top w0.25: U1#2.5 287.4,48.84 287.4,49.9 288.55,51.05 J1-LED.1
  Top w0.5: J3_PROGRAMING_PIN1.3 299.03,32.55 299.03,48.77 J1-LED.1 ; LED116.2 88.35,57.97 87.77,58.56 87.77,58.75 ; C36.1 87.75,113.48 87.75,111.25 86.5,110 C61.1 ; C36.1 87.77,113.69 88.62,114.55 LED111.2 ; C36.1 87.77,118.12 81.64,124.24 79.32,124.24 C37.1 ; C73.1 157.96,109.73 LED62.2 ; C73.1 158.2,109.69 C50.1 ; C73.1 C102.1 ; C101.1 181.66,105.47 193.54,105.47 C99.1 ; C101.1 180.88,105.64 LED83.2 ; C101.1 181.38,105.52 C104.1 ; C11.1 C60.1 ; C11.1 193.53,65.74 LED8.2 ; C11.1 C12.1 ; C60.1 205.91,65.74 LED7.2 ; C60.1 206.26,65.75 209.25,65.75 218.84,75.34 C49.1 ; C131.1 284.01,158.66 284.86,159.5 287.66,159.5 288.5,158.66 288.5,155.01 C132.1 ; C131.1 284.01,155.19 284.8,155.97 LED49.2 ; C131.1 C129.1 ; C112.1 227.1,109.48 LED56.2 ; C112.1 227.76,110.5 230.49,110.5 C111.1 ; C112.1 C114.1 ; C129.1 284.01,146.19 285.02,147.2 LED50.2 ; C129.1 284.01,145.76 284,145.75 284,140.25 283.75,140 ; C52.1 150.21,90.73 148.63,90.73 LED13.2 ; C52.1 150.34,90.66 135.5,105.5 ; C52.1 C54.1 ; LED51.2 284.5,139.25 283.75,140 ; C69.1 99.44,119.62 99.44,120.86 LED25.2 ; C69.1 99.59,119.41 89.91,129.09 C68.1 ; C69.1 101.06,118 116,118 117,117 ; C49.1 218.75,75.19 LED6.2 ; C49.1 224.41,80.84 ; 282,140 C128.1 ; 282,140 283.75,140 ; 282,140 281.99,139.99 C125.1 ; C113.1 226.69,105.27 C115.1 ; C113.1 227.45,104.5 230.75,104.5 C110.1 ; C113.1 226.94,105.2 227.82,106.08 LED87.2 ; C124.1 259.74,135.5 252.25,135.5 249.99,133.24 C119.1 ; C124.1 C126.1 ; C124.1 259.99,135.51 LED90.2 ; C76.1 87.77,96.41 LED113.2 ; C76.1 87.77,84.02 C78.1 ; C76.1 87.77,104.23 86.5,105.5 C75.1 ; LED99.2 91.98,58.69 C83.1 ; LED48.2 246.55,45.97 245.51,44.94 ; LED38.2 243.36,94.52 244.46,94.52 C122.1 ; C37.1 78.85,124.72 LED110.2 ; C37.1 68.75,134.81 68.75,137.69 C39.1 ; 225.91,82.34 224.41,80.84 ; 225.91,82.34 C7.1 226.41,82.91 233.84,90.34 C33.1 ; 225.91,82.34 225.91,81.57 LED5.2 ; 224.41,80.84 224.41,79.59 v1(224.58,79.42) ; v1(81.5,151.25) 83.02,152.77 C27.1 ; v1(81.5,151.25) 83.16,152.91 ; v1(81.5,151.25) 80.41,150.16 C66.1 80.05,150.37 LED19.2 ; C81.1 87.77,69.25 87.75,69.26 C78.1 ; C81.1 87.77,68.46 88.5,67.72 ; C81.1 87.77,58.75 ; C23.1 102.84,122.66 92.91,132.59 C24.1 ; C23.1 104.19,121.25 119.5,121.25 123.76,116.98 ; C23.1 102.69,122.75 LED16.2 ; C62.1 91.98,105.03 C77.1 ; C62.1 91.75,105.27 C64.1 ; C62.1 91.21,105.52 LED75.2 ; LED107.2 86.47,149.79 C28.1 ; C39.1 74.78,143.72 74.78,144.28 72.25,146.81 72.25,149 76.59,153.34 C26.1 ; C39.1 71.94,140.88 LED109.2 ; C98.1 48.77,41.99 47.65,40.87 47.65,39.1 49.02,37.72 51.46,37.72 C97.1 ; C98.1 51.31,41.99 50.52,41.2 LED120.2 ; C98.1 C96.1 ; C19.1 126.23,106.52 128.44,104.31 C18.1 ; C19.1 126.37,107.67 127.72,107.67 LED79.2 ; C19.1 126.19,107.81 121.22,112.78 C72.1 ; LED42.2 240.99,105.02 C106.1 ; LED28.2 146.72,87.34 C15.1 ; C45.1 81.31,105.27 80.47,106.1 LED74.2 ; C45.1 C43.1 ; C45.1 86.25,105.27 C75.1 ; C56.1 165.09,75.66 157.84,82.91 C54.1 ; C56.1 164.91,75.78 LED11.2 ; C56.1 C13.1 ; C27.1 83.08,152.85 ; C27.1 83.22,152.91 84.57,152.91 84.62,152.85 ; C53.1 154.27,79.79 154.27,81.27 LED29.2 ; C53.1 C15.1 ; C53.1 154.59,79.66 161.84,72.41 C14.1 ; C135.1 250.24,55.94 249.23,56.95 LED2.2 ; C135.1 C138.1 ; C135.1 C46.1 ; LED34.2 205.9,61.28 C10.1 ; 119.62,113.72 119.62,113.71 120.56,112.78 C72.1 ; 117,117 109.02,117 C70.1 ; 117,117 120.74,117 C71.1 ; C34.1 74.66,137.41 74,136.75 74,135.94 C38.1 ; C34.1 75.1,137.66 LED106.2 ; C34.1 78.03,140.6 78.03,141.03 C67.1 ; C65.1 102,110.48 102,112 103.3,113.3 103.3,114.1 106.2,117 106.7,117 106.72,116.98 C70.1 ; C65.1 100.98,110 C63.1 ; C65.1 101.03,109.73 100.08,108.78 LED67.2 ; C6.1 245.51,77.05 C47.1 ; C6.1 242.9,79.66 242.9,80.48 243.4,80.98 243.4,81.35 241.5,83.25 233.19,83.25 C8.1 229.34,79.41 ; C6.1 245,77.56 LED45.2 ; LED121.2 51.13,37.76 C97.1 ; C118.1 193.74,109.62 C100.1 ; C118.1 193.41,109.61 LED59.2 ; C118.1 206.12,109.61 C116.1 ; C110.1 232.01,104.74 233.37,104.74 233.65,105.02 C107.1 ; C110.1 231.31,105.25 230.45,106.11 LED41.2 ; C68.1 81.66,137.66 C67.1 ; C68.1 89.5,129.82 LED24.2 ; 91.17,35.32 91.98,36.13 C88.1 ; LED86.2 218.24,105.27 C115.1 ; LED33.2 193.44,61.26 C59.1 ; C58.1 181.51,61.26 C59.1 ; C58.1 173.03,61.28 C57.1 ; C58.1 181.17,61.28 LED32.2 ; LED21.2 86.27,154.93 86.27,156.03 C31.1 84.33,158.25 81.56,158.25 80.78,157.47 ; C134.1 C136.1 245.51,42.51 245.5,42.5 ; C134.1 C47.1 ; C134.1 245.51,55.94 246.52,56.95 LED47.2 ; C29.1 89.68,152.85 88.36,152.85 LED20.2 ; C29.1 89.82,151.18 v1(90,151) ; C29.1 89.67,152.98 ; C87.1 87.75,26.51 C90.1 ; C87.1 87.75,36.18 LED124.2 ; C87.1 85.22,39.03 74.35,39.03 73.08,37.76 C93.1 ; C122.1 250,100.06 250,104.75 247.38,107.38 249.99,109.98 C119.1 ; C122.1 244.59,94.59 237.16,87.16 C32.1 ; LED122.2 61.39,37.76 C95.1 ; 180.22,64.8 181.16,65.74 C12.1 ; 123.76,116.98 C71.1 ; 123.76,116.98 129.42,111.33 C20.1 ; 135.5,105.5 135.53,105.47 C51.1 ; 135.5,105.5 133.26,107.74 C21.1 133.03,107.88 131.58,107.88 LED15.2 ; C108.1 237.28,110.5 240.24,110.5 C109.1 ; C108.1 236.5,109.47 LED55.2 ; C108.1 236.24,109.48 C111.1 ; C33.1 233.67,90.11 LED44.2 ; C33.1 233.91,90.41 241.34,97.84 C133.1 ; 91.25,25.22 91.98,25.96 C89.1 ; C12.1 174.95,65.74 C13.1 ; C5.1 103.66,169.34 v1(103.5,169.5) ; LED1.2 250.24,44.99 C138.1 ; 230.81,30.29 232.06,29.04 C79.1 C103.1 C120.1 C55.1 C123.1 C30.1 232.07,22.81 v1(230.81,21.54) ; C104.1 171.03,105.52 LED82.2 ; C104.1 171.74,105.5 158.26,105.5 C74.1 ; C15.1 C16.1 ; C16.1 139.22,94.84 LED27.2 ; C16.1 139.34,94.66 129.73,104.27 C18.1 ; C78.1 87.75,83.81 88.63,82.92 LED114.2 ; C132.1 288.49,155.19 287.7,155.97 LED94.2 ; C132.1 C130.1 ; C57.1 C14.1 ; C57.1 169.73,64.59 LED31.2 ; C14.1 161.72,72.59 LED30.2 ; C82.1 C83.1 ; C82.1 91.98,68.59 LED100.2 ; C82.1 C80.1 ; C83.1 91.98,56.67 90.51,55.2 90.51,49.31 91.98,47.84 C86.1 ; C94.1 C96.1 ; C94.1 71.41,41.99 LED118.2 ; C94.1 72.6,41.99 74.41,40.18 85.18,40.18 87.77,42.76 C85.1 ; C96.1 61.39,41.99 LED119.2 ; C61.1 86.77,109.98 LED103.2 ; C61.1 86.52,110 ; C61.1 81.75,109.98 C44.1 ; C22.1 109.02,112.78 C72.1 ; C22.1 107.02,112.77 107.02,110.59 101.69,105.27 C64.1 ; C22.1 108.81,112.77 107.92,113.65 LED77.2 ; C97.1 C95.1 ; LED23.2 81.12,137.94 C67.1 ; C47.1 245.51,66.94 246.6,68.03 LED46.2 ; C74.1 158.2,105.47 C51.1 ; C74.1 157.74,105.52 157.03,106.22 ; C38.1 82.56,127.38 82.56,124.95 89.78,117.73 92.23,117.73 C35.1 ; C38.1 82.11,127.83 LED105.2 ; C32.1 236.79,86.85 LED37.2 ; C32.1 237.09,87.12 234.37,84.4 242.1,84.4 244.27,82.23 246.96,82.23 C48.1 ; C50.1 144.44,110.25 130.41,110.25 C20.1 ; C50.1 144.66,109.69 143.82,108.85 ; LED22.2 76.81,153.5 C26.1 ; C114.1 218.09,109.48 LED57.2 ; C114.1 C116.1 ; C10.1 193.76,61.28 C59.1 ; C10.1 211.22,61.28 C9.1 ; C119.1 249.99,128.51 LED89.2 ; C121.1 245.76,110.77 244.5,109.5 241.26,109.5 C109.1 ; C121.1 245.76,134.51 251.25,140 259.74,140 C105.1 ; C121.1 245.76,128.51 LED54.2 ; LED101.2 91.98,83.64 C80.1 ; C41.1 59.23,109.73 58.25,108.75 58.25,106.25 59.25,105.25 61.98,105.25 C40.1 ; C41.1 C42.1 ; C41.1 61.76,109.73 LED71.2 ; C88.1 C89.1 ; C88.1 C86.1 ; C89.1 C92.1 ; 229.34,79.41 227.34,77.41 ; 229.34,79.41 229.26,79.33 LED36.2 ; 227.34,77.41 C9.1 ; 227.34,77.41 226.59,77.41 v1(226.26,77.74) ; C26.1 80.78,157.47 ; 87.77,58.75 87.77,56 89.28,54.49 89.28,49.28 87.77,47.77 C85.1 ; C9.1 221.89,71.95 LED35.2 ; LED60.2 181.05,109.62 C100.1 ; C126.1 285.95,135.51 C127.1 ; C126.1 271.44,135.51 272.4,136.47 LED91.2 ; C43.1 71.28,105.27 70.47,106.07 LED73.2 ; C43.1 C40.1 ; C106.1 239.99,103.75 237.51,103.75 C107.1 ; C106.1 241.26,105 245,105 246,104 246,102.5 241.41,97.91 C133.1 ; C20.1 129.6,111.06 LED64.2 ; C91.1 87.77,16.06 88.65,15.18 LED126.2 ; C91.1 C90.1 ; C91.1 87.77,13.19 88.64,12.32 91.35,12.32 92.05,13.02 92.05,16.19 C92.1 ; LED40.2 231.18,109.48 C111.1 ; C115.1 C117.1 ; C105.1 C125.1 ; C105.1 259.99,139.99 LED53.2 ; LED76.2 100.94,105.27 C64.1 ; C117.1 205.84,105.27 LED85.2 ; C117.1 C99.1 ; C85.1 87.77,46.49 LED117.2 ; C40.1 61.71,105.27 LED72.2 ; C75.1 86.92,105.52 87.72,106.33 ; C86.1 91.98,46.49 LED98.2 ; C25.1 84.46,140.98 83.16,140.98 LED18.2 ; C25.1 C24.1 ; C25.1 81.22,144.22 81.22,144.47 85.62,148.88 ; LED68.2 90.42,109.12 91.31,110 C63.1 ; LED65.2 120.28,116.98 C71.1 ; C48.1 248.46,80.73 246.91,80.73 LED4.2 ; C48.1 250.24,78.95 C46.1 ; 143.85,106.22 144.61,105.47 C51.1 ; C100.1 181.39,109.73 C102.1 ; C35.1 92.23,113.69 91.4,114.53 LED104.2 ; C35.1 92.23,110.73 C63.1 ; C107.1 236.44,105.02 237.38,105.95 LED88.2 ; 247.57,42.5 250.15,42.5 250.24,42.59 C138.1 ; C13.1 172.96,67.73 171.61,67.73 LED10.2 ; C102.1 171.34,109.73 170.38,108.78 ; C133.1 241.27,97.71 241.27,96.61 LED43.2 ; C80.1 C77.1 ; LED93.2 288.49,146.39 C130.1 ; C70.1 108.69,116.98 LED66.2 ; 80.78,157.47 81.94,157.47 v1(81.99,157.51) ; C130.1 288.49,138.05 C127.1 ; C127.1 286.51,136.07 286.51,137.39 LED92.2 ; 85.62,148.88 86.27,149.52 ; 85.62,148.88 v1(86.75,147.75) ; C24.1 92.63,132.8 LED17.2 ; C54.1 157.71,83.23 156.23,83.23 LED12.2 ; C18.1 129.59,104.44 129.59,105.89 LED26.2 ; LED14.2 141.08,98.23 142.46,98.23 C17.1 ; LED58.2 205.71,109.48 C116.1 ; C93.1 71.26,37.76 LED123.2 ; C93.1 C95.1 ; C90.1 87.77,26.11 88.65,25.22 ; C42.1 71.28,109.73 70.47,108.93 70.47,108.78 ; C42.1 C44.1 ; C125.1 271.56,139.99 LED52.2 ; LED102.2 91.98,96.26 C77.1 ; C92.1 91.98,15.76 LED95.2 ; C99.1 193.44,105.27 LED84.2 ; C46.1 250.24,66.97 LED3.2 ; C109.1 240.94,109.48 LED39.2 ; v1(105,165.75) 105,166.4 LED127.2 ; C1.1 228.88,15.6 ; C44.1 81.31,109.73 80.47,108.9 LED69.2
  Top w1: U1.3 229.01,17.47 229.01,6.51 J2_POWER.1 229,6 230.8,7.8 v1(230.8,17.59) ; U1#2.5 281.06,42.5 243.02,42.5 230.81,30.29 v1(230.81,21.54) 230.81,21.51 230.82,21.5
  Bottom w0.5: v1(224.58,79.42) v1(226.26,77.74) ; v1(90,151) v1(86.75,147.75) 86.7,147.7 84.42,147.7 81.5,150.62 v1(81.5,151.25) ; v1(81.99,157.51) 93.98,169.5 v1(103.5,169.5) 105.01,167.99 105.01,165.76 v1(105,165.75)
  Bottom w1: v1(230.8,17.59) 230.8,21.53 v1(230.81,21.54)
